# Altium PCB Copy of Board_EP1C6T144I8N.PcbDoc (part 1 of 3)
Units mm, origin at the board's own origin, x right, y up, seen from the top; angles counter-clockwise.
Board outline 55 x 59 mm, 2 copper layers (Top Layer, Bottom Layer); 250 components, 211 nets, 1313 pads, 196 vias.
Unrouted connection lines stored in the file: 101.
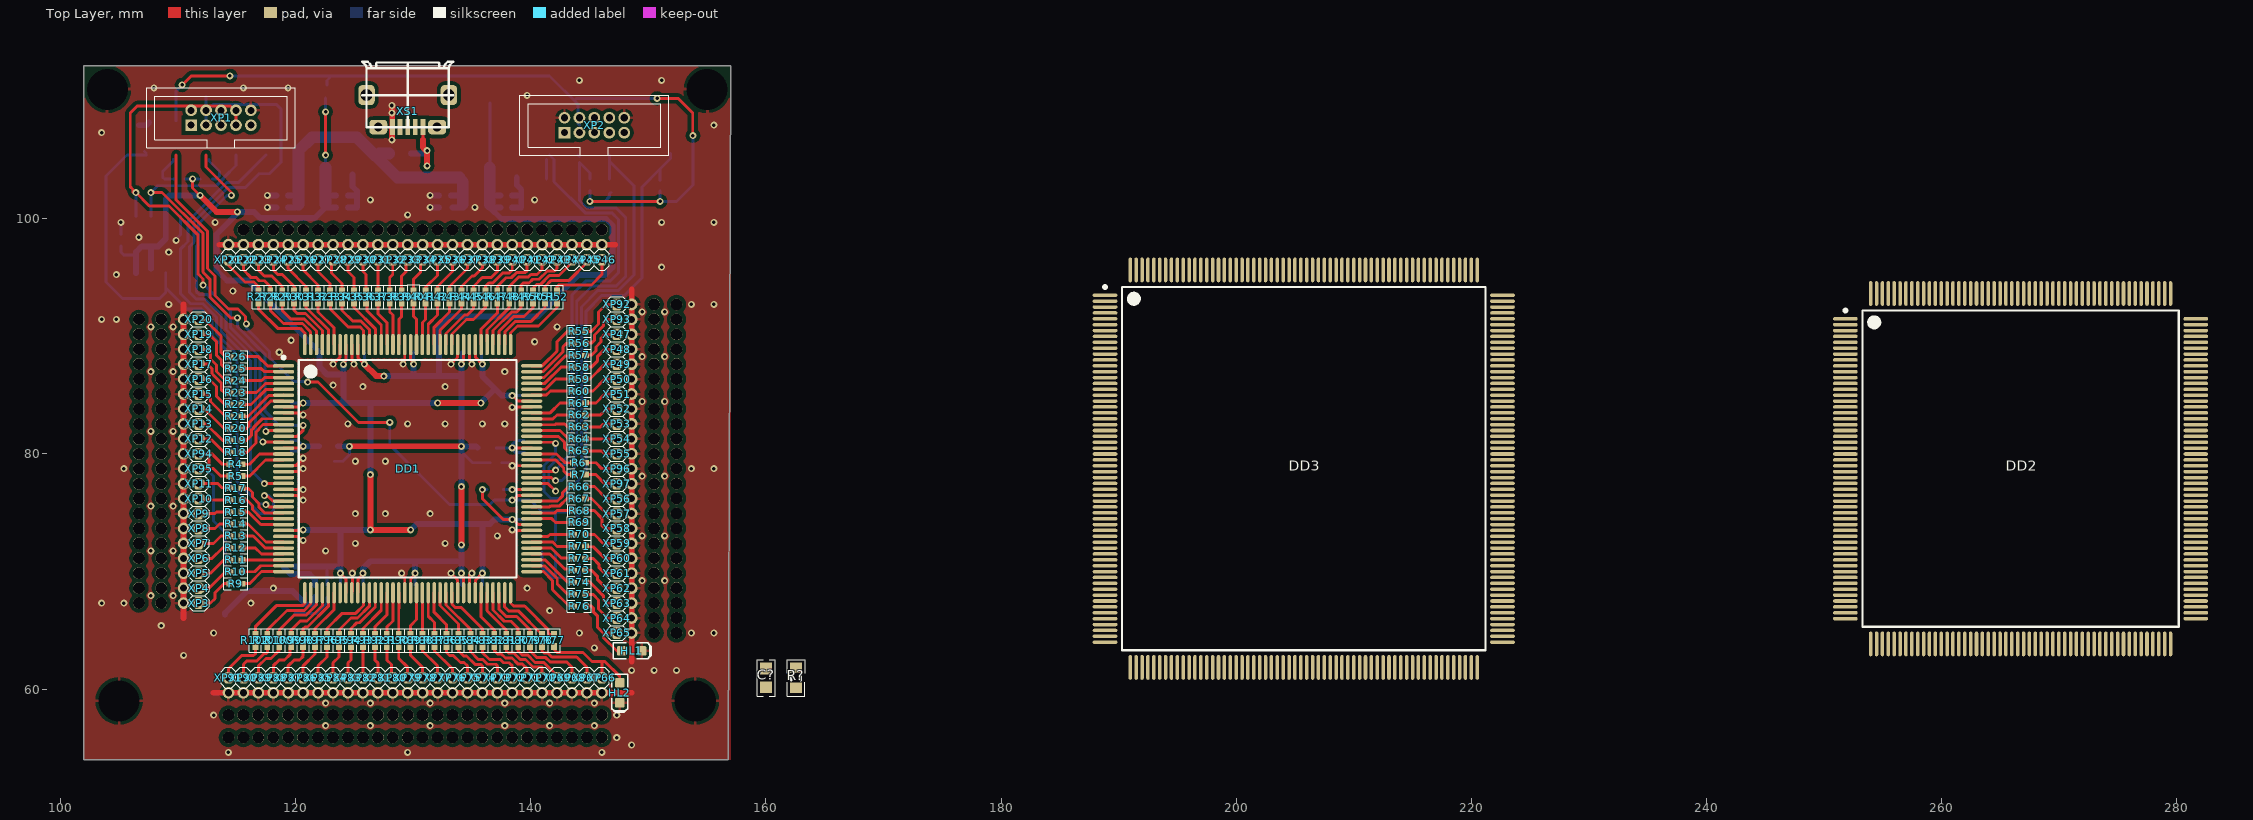
[diagram p0: Top Layer view]
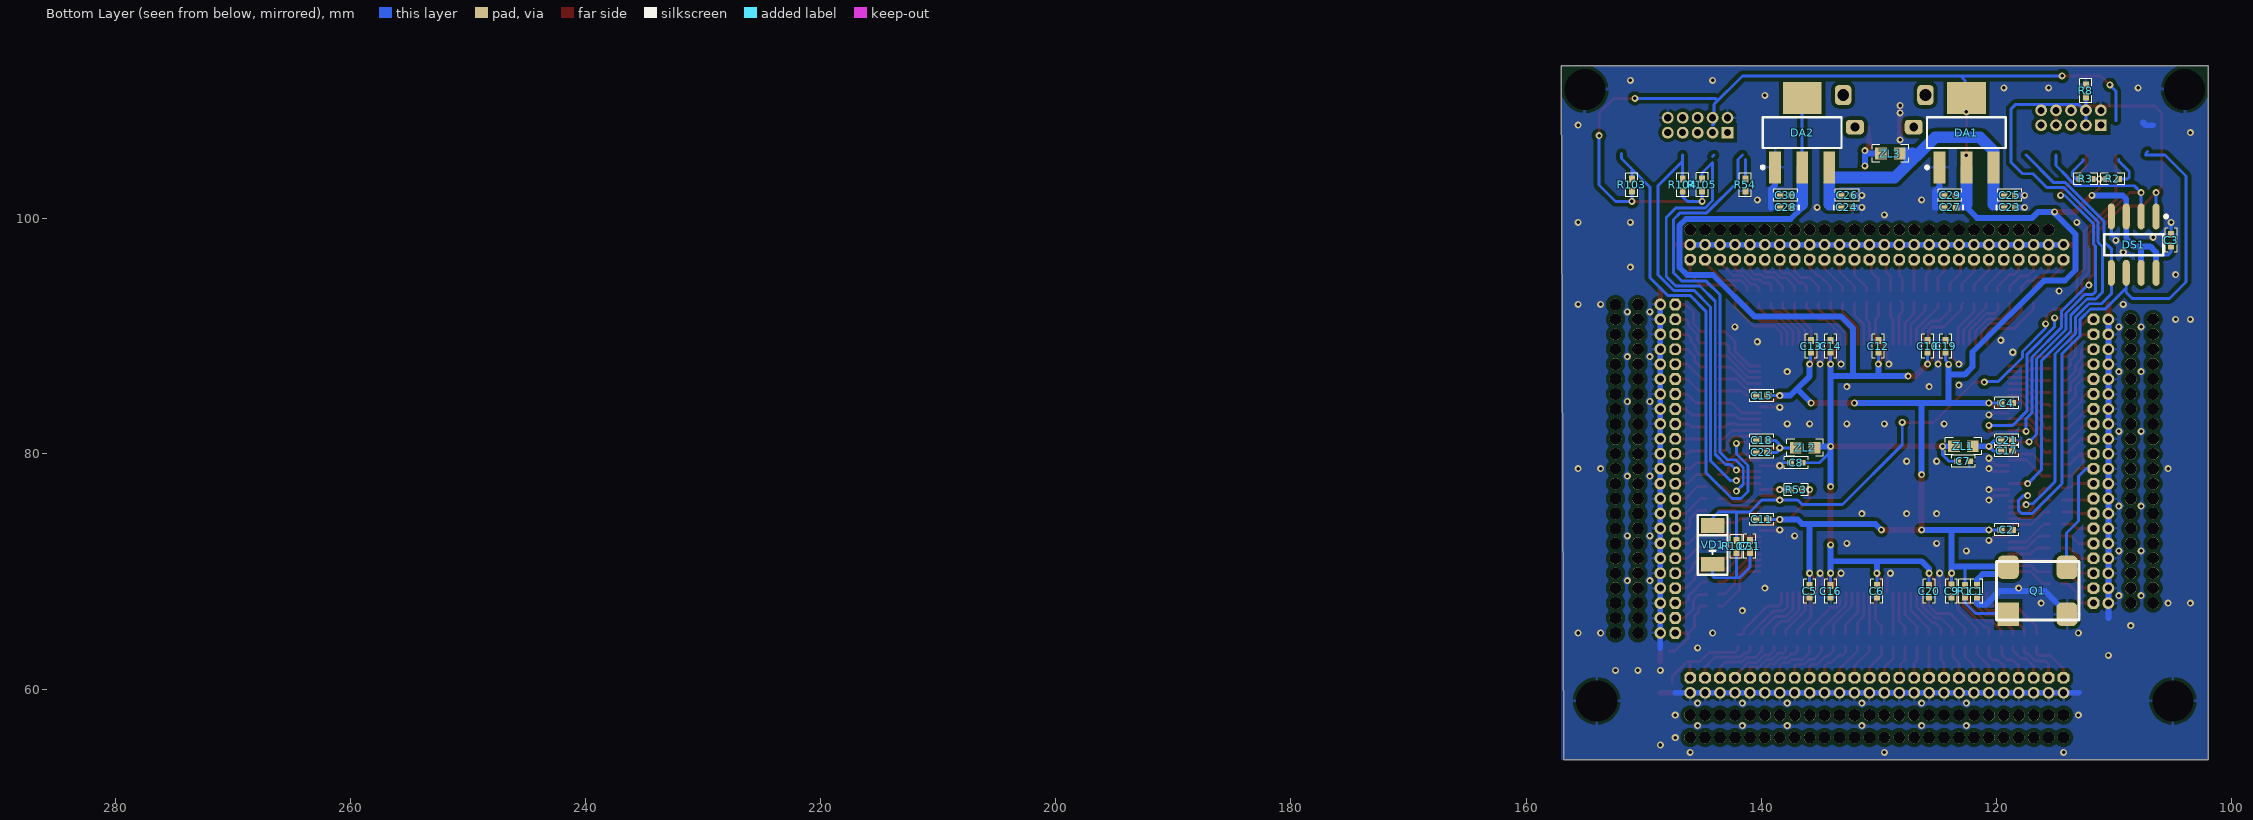
[diagram p1: Bottom Layer view, seen from below]

## Layer stack, top to bottom
Top Solder: solder mask 0.0102, Solder Resist, Dk 3.5
Top Layer: signal copper 0.0356
Dielectric 1: dielectric 0.32, FR-4, Dk 4.8
Bottom Layer: signal copper 0.0356
Bottom Solder: solder mask 0.0102, Solder Resist, Dk 3.5

## Board outline
102,54 102,113 157.003,113 156.809,54

## Design rules (kind name [scope] priority, off if disabled: settings)
Clearance InPolygon [InPolygon] p1: gap=0.3 ignorepadtopadclearanceinfootprint=FALSE
Clearance [All] p2: gap=0.15 ignorepadtopadclearanceinfootprint=FALSE except(0: Arc-Hole Track-Hole SMDPad-Hole THPad-Hole Via-Hole Fill-Hole Poly-Hole Region-Hole Text-Hole)
PlaneConnect [All] p1: pad.planeconnectstyle=Relief pad.reliefexpansion=0.508 pad.reliefentries=4 pad.reliefconductorwidth=0.254 pad.reliefairgap=0.254 via.planeconnectstyle=Direct via.reliefexpansion=0.508 via.reliefentries=4 via.reliefconductorwidth=0.254 via.reliefairgap=0.254
PolygonConnect [All] p1: thpad.connectstyle=Relief thpad.reliefconductorwidth=0.254 thpad.reliefentries=4 thpad.polygonreliefangle="90 Angle" thpad.airgapwidth=0.254 smdpad.connectstyle=Relief smdpad.reliefconductorwidth=0.254 smdpad.reliefentries=4 smdpad.polygonreliefangle="90 Angle" smdpad.airgapwidth=0.254 via.connectstyle=Direct via.reliefconductorwidth=0.254 via.reliefentries=4 via.polygonreliefangle="90 Angle" via.airgapwidth=0.254
RoutingVias [All] p1: holewidth=0.5 width=0.8 viastyle="Through Hole" minholewidth=0.3 minwidth=0.6 maxholewidth=0.7 maxwidth=1
SolderMaskExpansion [All] p1: expansion=0.102
Width [All] p1: maxlimit=1 minlimit=0.25 preferedwidth=0.5
29 further rules are at their usual default settings.

## Classes and differential pairs
component class EPF10K50RC240-3: DD3
component class EP1K100QC208-2: C? DD2 R?

## Components (designator, comment, footprint, x,y, rotation, side; value= is the part's Value field where it differs from the comment)
C1 "0.1uF" CapKemet1005(0402) 121.666,68.326 r90 bottom
C2 "100p" CapKemet1005(0402) 119.126,73.533 r180 bottom
C3 "100p" CapKemet1005(0402) 105.156,98.171 r270 bottom
C4 "100p" CapKemet1005(0402) 119.126,84.328 r180 bottom
C5 "100p" CapKemet1005(0402) 135.89,68.326 r270 bottom
C6 "100p" CapKemet1005(0402) 130.175,68.326 r270 bottom
C7 "100p" CapKemet1005(0402) 122.809,79.375 r180 bottom
C8 "100p" CapKemet1005(0402) 137.033,79.248 r0 bottom
C9 "100p" CapKemet1005(0402) 123.825,68.334 r270 bottom
C10 "100p" CapKemet1005(0402) 125.857,89.154 r90 bottom
C11 "100p" CapKemet1005(0402) 139.954,74.422 r0 bottom
C12 "100p" CapKemet1005(0402) 130.048,89.154 r90 bottom
C13 "100p" CapKemet1005(0402) 135.763,89.154 r90 bottom
C14 "100p" CapKemet1005(0402) 134.112,89.154 r90 bottom
C15 "100p" CapKemet1005(0402) 139.954,84.963 r0 bottom
C16 "100p" CapKemet1005(0402) 134.112,68.326 r270 bottom
C17 "100p" CapKemet1005(0402) 119.126,80.264 r180 bottom
C18 "100p" CapKemet1005(0402) 139.946,81.153 r0 bottom
C19 "100p" CapKemet1005(0402) 124.333,89.154 r90 bottom
C20 "100p" CapKemet1005(0402) 125.73,68.318 r270 bottom
C21 "1n" CapKemet1005(0402) 119.126,81.181 r180 bottom
C22 "1n" CapKemet1005(0402) 139.954,80.137 r0 bottom
C23 "10uF" 0402-A 118.872,100.965 r180 bottom
C24 "10uF" 0402-A 132.715,100.965 r180 bottom
C25 "100p" CapKemet1005(0402) 118.872,101.981 r0 bottom
C26 "100p" CapKemet1005(0402) 132.707,101.981 r0 bottom
C27 "10uF" 0402-A 123.952,100.965 r0 bottom
C28 "10uF" 0402-A 137.922,100.965 r0 bottom
C29 "0.1uF" CapKemet1005(0402) 123.952,101.981 r180 bottom
C30 "0.1uF" CapKemet1005(0402) 137.922,101.981 r180 bottom
C31 "1n" CapKemet1005(0402) 140.97,72.136 r90 bottom
C? "100n" CAPC1608(0603)N 160.02,60.96 r90 top
DA1 "LD1117S33T" SOT223_M 122.555,107.315 r90 bottom
DA2 "LD1117S33T" SOT223_M 136.525,107.315 r90 bottom
DD1 "EP1C6T144I8N" TQFP144_N 129.54,78.74 r0 top locked
DD2 "EP1K100QC208-2" PQFP208_M 266.7,78.74 r0 top
DD3 "EPF10K50RC240-3" RQFP240_M 205.74,78.74 r0 top
DS1 "EPCS1SI8N" SO8_N 108.331,97.79 r270 bottom
HL1 "LED" LED-0603-BLUE 148.59,63.246 r0 top
HL2 "LED" LED-0603-GREEN 147.574,59.69 r270 top
Q1 "SG-8002JF- 100MHz" SG-8002JF 118.999,66.358 r180 bottom
R1 "10k" "REZKemet 0402" 122.682,68.326 r270 bottom
R2 "10k" "REZKemet 0402" 110.109,103.378 r0 bottom
R3 "10k" "REZKemet 0402" 112.395,103.378 r180 bottom
R4 "0" "REZKemet 0402" 114.935,79.121 r0 top
R5 "0" "REZKemet 0402" 114.935,78.105 r0 top
R6 "0" "REZKemet 0402" 144.145,79.248 r180 top
R7 "0" "REZKemet 0402" 144.145,78.232 r180 top
R8 "10k" "REZKemet 0402" 112.395,110.871 r90 bottom
R9 "250" "REZKemet 0402" 114.935,68.961 r0 top
R10 "250" "REZKemet 0402" 114.935,69.977 r0 top
R11 "250" "REZKemet 0402" 114.935,70.993 r0 top
R12 "250" "REZKemet 0402" 114.935,72.009 r0 top
R13 "250" "REZKemet 0402" 114.935,73.025 r0 top
R14 "250" "REZKemet 0402" 114.935,74.041 r0 top
R15 "250" "REZKemet 0402" 114.935,75.057 r0 top
R16 "250" "REZKemet 0402" 114.935,76.073 r0 top
R17 "250" "REZKemet 0402" 114.935,77.089 r0 top
R18 "250" "REZKemet 0402" 114.935,80.137 r0 top
R19 "250" "REZKemet 0402" 114.935,81.153 r0 top
R20 "250" "REZKemet 0402" 114.935,82.169 r0 top
R21 "250" "REZKemet 0402" 114.935,83.185 r0 top
R22 "250" "REZKemet 0402" 114.935,84.201 r0 top
R23 "250" "REZKemet 0402" 114.935,85.217 r0 top
R24 "250" "REZKemet 0402" 114.935,86.233 r0 top
R25 "250" "REZKemet 0402" 114.935,87.249 r0 top
R26 "250" "REZKemet 0402" 114.935,88.265 r0 top
R27 "250" "REZKemet 0402" 116.84,93.345 r270 top
R28 "250" "REZKemet 0402" 117.856,93.345 r270 top
R29 "250" "REZKemet 0402" 118.872,93.345 r270 top
R30 "250" "REZKemet 0402" 119.888,93.345 r270 top
R31 "250" "REZKemet 0402" 120.904,93.345 r270 top
R32 "250" "REZKemet 0402" 121.92,93.345 r270 top
R33 "250" "REZKemet 0402" 122.936,93.345 r270 top
R34 "250" "REZKemet 0402" 123.952,93.345 r270 top
R35 "250" "REZKemet 0402" 124.968,93.345 r270 top
R36 "250" "REZKemet 0402" 125.984,93.345 r270 top
R37 "250" "REZKemet 0402" 127,93.345 r270 top
R38 "250" "REZKemet 0402" 128.016,93.345 r270 top
R39 "250" "REZKemet 0402" 129.032,93.345 r270 top
R40 "250" "REZKemet 0402" 130.048,93.353 r270 top
R41 "250" "REZKemet 0402" 131.064,93.345 r270 top
R42 "250" "REZKemet 0402" 132.08,93.345 r270 top
R43 "250" "REZKemet 0402" 133.096,93.345 r270 top
R44 "250" "REZKemet 0402" 134.112,93.345 r270 top
R45 "250" "REZKemet 0402" 135.128,93.345 r270 top
R46 "250" "REZKemet 0402" 136.144,93.345 r270 top
R47 "250" "REZKemet 0402" 137.16,93.345 r270 top
R48 "250" "REZKemet 0402" 138.176,93.345 r270 top
R49 "250" "REZKemet 0402" 139.192,93.345 r270 top
R50 "250" "REZKemet 0402" 140.208,93.345 r270 top
R51 "250" "REZKemet 0402" 141.224,93.345 r270 top
R52 "250" "REZKemet 0402" 142.24,93.345 r270 top
R53 "10k" "REZKemet 0402" 137.033,76.962 r180 bottom
R54 "10k" "REZKemet 0402" 141.351,102.87 r270 bottom
R55 "250" "REZKemet 0402" 144.145,90.424 r0 top
R56 "250" "REZKemet 0402" 144.145,89.408 r0 top
R57 "250" "REZKemet 0402" 144.145,88.392 r0 top
R58 "250" "REZKemet 0402" 144.145,87.376 r0 top
R59 "250" "REZKemet 0402" 144.145,86.36 r0 top
R60 "250" "REZKemet 0402" 144.145,85.344 r0 top
R61 "250" "REZKemet 0402" 144.145,84.328 r0 top
R62 "250" "REZKemet 0402" 144.145,83.312 r0 top
R63 "250" "REZKemet 0402" 144.145,82.296 r0 top
R64 "250" "REZKemet 0402" 144.145,81.28 r0 top
R65 "250" "REZKemet 0402" 144.145,80.264 r0 top
R66 "250" "REZKemet 0402" 144.145,77.216 r0 top
R67 "250" "REZKemet 0402" 144.145,76.2 r0 top
R68 "250" "REZKemet 0402" 144.153,75.184 r0 top
R69 "250" "REZKemet 0402" 144.145,74.168 r0 top
R70 "250" "REZKemet 0402" 144.145,73.152 r0 top
R71 "250" "REZKemet 0402" 144.145,72.136 r0 top
R72 "250" "REZKemet 0402" 144.145,71.12 r0 top
R73 "250" "REZKemet 0402" 144.145,70.104 r0 top
R74 "250" "REZKemet 0402" 144.145,69.088 r0 top
R75 "250" "REZKemet 0402" 144.145,68.072 r0 top
R76 "250" "REZKemet 0402" 144.145,67.056 r0 top
R77 "250" "REZKemet 0402" 141.986,64.135 r270 top
R78 "250" "REZKemet 0402" 140.97,64.135 r270 top
R79 "250" "REZKemet 0402" 139.954,64.135 r270 top
R80 "250" "REZKemet 0402" 138.938,64.135 r270 top
R81 "250" "REZKemet 0402" 137.922,64.135 r270 top
R82 "250" "REZKemet 0402" 136.906,64.135 r270 top
R83 "250" "REZKemet 0402" 135.89,64.135 r270 top
R84 "250" "REZKemet 0402" 134.874,64.135 r270 top
R85 "250" "REZKemet 0402" 133.858,64.135 r270 top
R86 "250" "REZKemet 0402" 132.842,64.135 r270 top
R87 "250" "REZKemet 0402" 131.826,64.135 r270 top
R88 "250" "REZKemet 0402" 130.81,64.135 r270 top
R89 "250" "REZKemet 0402" 129.794,64.135 r270 top
R90 "250" "REZKemet 0402" 128.778,64.135 r270 top
R91 "250" "REZKemet 0402" 127.762,64.135 r270 top
R92 "250" "REZKemet 0402" 126.746,64.135 r270 top
R93 "250" "REZKemet 0402" 125.73,64.135 r270 top
R94 "250" "REZKemet 0402" 124.714,64.135 r270 top
R95 "250" "REZKemet 0402" 123.698,64.135 r270 top
R96 "250" "REZKemet 0402" 122.682,64.135 r270 top
R97 "250" "REZKemet 0402" 121.666,64.135 r270 top
R98 "250" "REZKemet 0402" 120.65,64.135 r270 top
R99 "250" "REZKemet 0402" 119.634,64.135 r270 top
R100 "250" "REZKemet 0402" 118.618,64.135 r270 top
R101 "250" "REZKemet 0402" 117.602,64.135 r270 top
R102 "250" "REZKemet 0402" 116.586,64.135 r270 top
R103 "10k" "REZKemet 0402" 151.003,102.87 r270 bottom
R104 "10k" "REZKemet 0402" 146.685,102.87 r270 bottom
R105 "10k" "REZKemet 0402" 145.034,102.878 r270 bottom
R107 "10k" "REZKemet 0402" 142.113,72.128 r270 bottom
R? "10k" RESC1608(0603)N 162.56,60.96 r90 top
VD1 "LL4148" SOD80 144.145,72.263 r90 bottom
XP1 "XS-10" "ISP 10(1.27mm)" 111.125,107.95 r0 top
XP2 "XS-10" "ISP 10(1.27mm)" 142.875,107.315 r0 top
XP3 "P50-B1(DIP)" PLLS1.27-1 111.76,67.31 r90 top
XP4 "P50-B1(DIP)" PLLS1.27-1 111.76,68.58 r90 top
XP5 "P50-B1(DIP)" PLLS1.27-1 111.76,69.85 r90 top
XP6 "P50-B1(DIP)" PLLS1.27-1 111.76,71.12 r90 top
XP7 "P50-B1(DIP)" PLLS1.27-1 111.76,72.39 r90 top
XP8 "P50-B1(DIP)" PLLS1.27-1 111.76,73.66 r90 top
XP9 "P50-B1(DIP)" PLLS1.27-1 111.76,74.93 r90 top
XP10 "P50-B1(DIP)" PLLS1.27-1 111.76,76.2 r90 top
XP11 "P50-B1(DIP)" PLLS1.27-1 111.76,77.47 r90 top
XP12 "P50-B1(DIP)" PLLS1.27-1 111.76,81.28 r90 top
XP13 "P50-B1(DIP)" PLLS1.27-1 111.76,82.55 r90 top
XP14 "P50-B1(DIP)" PLLS1.27-1 111.76,83.82 r90 top
XP15 "P50-B1(DIP)" PLLS1.27-1 111.76,85.09 r90 top
XP16 "P50-B1(DIP)" PLLS1.27-1 111.76,86.36 r90 top
XP17 "P50-B1(DIP)" PLLS1.27-1 111.76,87.63 r90 top
XP18 "P50-B1(DIP)" PLLS1.27-1 111.76,88.9 r90 top
XP19 "P50-B1(DIP)" PLLS1.27-1 111.76,90.17 r90 top
XP20 "P50-B1(DIP)" PLLS1.27-1 111.76,91.44 r90 top
XP21 "P50-B1(DIP)" PLLS1.27-1 114.3,96.52 r0 top
XP22 "P50-B1(DIP)" PLLS1.27-1 115.57,96.52 r0 top
XP23 "P50-B1(DIP)" PLLS1.27-1 116.84,96.52 r0 top
XP24 "P50-B1(DIP)" PLLS1.27-1 118.11,96.52 r0 top
XP25 "P50-B1(DIP)" PLLS1.27-1 119.38,96.52 r0 top
XP26 "P50-B1(DIP)" PLLS1.27-1 120.65,96.52 r0 top
XP27 "P50-B1(DIP)" PLLS1.27-1 121.92,96.52 r0 top
XP28 "P50-B1(DIP)" PLLS1.27-1 123.19,96.52 r0 top
XP29 "P50-B1(DIP)" PLLS1.27-1 124.46,96.52 r0 top
XP30 "P50-B1(DIP)" PLLS1.27-1 125.73,96.52 r0 top
XP31 "P50-B1(DIP)" PLLS1.27-1 127,96.52 r0 top
XP32 "P50-B1(DIP)" PLLS1.27-1 128.27,96.52 r0 top
XP33 "P50-B1(DIP)" PLLS1.27-1 129.54,96.52 r0 top
XP34 "P50-B1(DIP)" PLLS1.27-1 130.81,96.52 r0 top
XP35 "P50-B1(DIP)" PLLS1.27-1 132.08,96.52 r0 top
XP36 "P50-B1(DIP)" PLLS1.27-1 133.35,96.52 r0 top
XP37 "P50-B1(DIP)" PLLS1.27-1 134.62,96.52 r0 top
XP38 "P50-B1(DIP)" PLLS1.27-1 135.89,96.52 r0 top
XP39 "P50-B1(DIP)" PLLS1.27-1 137.16,96.52 r0 top
XP40 "P50-B1(DIP)" PLLS1.27-1 138.43,96.52 r0 top
XP41 "P50-B1(DIP)" PLLS1.27-1 139.7,96.52 r0 top
XP42 "P50-B1(DIP)" PLLS1.27-1 140.97,96.52 r0 top
XP43 "P50-B1(DIP)" PLLS1.27-1 142.24,96.52 r0 top
XP44 "P50-B1(DIP)" PLLS1.27-1 143.51,96.52 r0 top
XP45 "P50-B1(DIP)" PLLS1.27-1 144.78,96.52 r0 top
XP46 "P50-B1(DIP)" PLLS1.27-1 146.05,96.52 r0 top
XP47 "P50-B1(DIP)" PLLS1.27-1 147.32,90.17 r90 top
XP48 "P50-B1(DIP)" PLLS1.27-1 147.32,88.9 r90 top
XP49 "P50-B1(DIP)" PLLS1.27-1 147.32,87.63 r90 top
XP50 "P50-B1(DIP)" PLLS1.27-1 147.32,86.36 r90 top
XP51 "P50-B1(DIP)" PLLS1.27-1 147.32,85.09 r90 top
XP52 "P50-B1(DIP)" PLLS1.27-1 147.32,83.82 r90 top
XP53 "P50-B1(DIP)" PLLS1.27-1 147.32,82.55 r90 top
XP54 "P50-B1(DIP)" PLLS1.27-1 147.32,81.28 r90 top
XP55 "P50-B1(DIP)" PLLS1.27-1 147.32,80.01 r90 top
XP56 "P50-B1(DIP)" PLLS1.27-1 147.32,76.2 r90 top
XP57 "P50-B1(DIP)" PLLS1.27-1 147.32,74.93 r90 top
XP58 "P50-B1(DIP)" PLLS1.27-1 147.32,73.66 r90 top
XP59 "P50-B1(DIP)" PLLS1.27-1 147.32,72.39 r90 top
XP60 "P50-B1(DIP)" PLLS1.27-1 147.32,71.12 r90 top
XP61 "P50-B1(DIP)" PLLS1.27-1 147.32,69.85 r90 top
XP62 "P50-B1(DIP)" PLLS1.27-1 147.32,68.58 r90 top
XP63 "P50-B1(DIP)" PLLS1.27-1 147.32,67.31 r90 top
XP64 "P50-B1(DIP)" PLLS1.27-1 147.32,66.04 r90 top
XP65 "P50-B1(DIP)" PLLS1.27-1 147.32,64.77 r90 top
XP66 "P50-B1(DIP)" PLLS1.27-1 146.05,60.96 r0 top
XP67 "P50-B1(DIP)" PLLS1.27-1 144.78,60.96 r0 top
XP68 "P50-B1(DIP)" PLLS1.27-1 143.51,60.96 r0 top
XP69 "P50-B1(DIP)" PLLS1.27-1 142.24,60.96 r0 top
XP70 "P50-B1(DIP)" PLLS1.27-1 140.97,60.96 r0 top
XP71 "P50-B1(DIP)" PLLS1.27-1 139.7,60.96 r0 top
XP72 "P50-B1(DIP)" PLLS1.27-1 138.43,60.96 r0 top
XP73 "P50-B1(DIP)" PLLS1.27-1 137.16,60.96 r0 top
XP74 "P50-B1(DIP)" PLLS1.27-1 135.89,60.96 r0 top
XP75 "P50-B1(DIP)" PLLS1.27-1 134.62,60.96 r0 top
XP76 "P50-B1(DIP)" PLLS1.27-1 133.35,60.96 r0 top
XP77 "P50-B1(DIP)" PLLS1.27-1 132.08,60.96 r0 top
XP78 "P50-B1(DIP)" PLLS1.27-1 130.81,60.96 r0 top
XP79 "P50-B1(DIP)" PLLS1.27-1 129.54,60.96 r0 top
XP80 "P50-B1(DIP)" PLLS1.27-1 128.27,60.96 r0 top
XP81 "P50-B1(DIP)" PLLS1.27-1 127,60.96 r0 top
XP82 "P50-B1(DIP)" PLLS1.27-1 125.73,60.96 r0 top
XP83 "P50-B1(DIP)" PLLS1.27-1 124.46,60.96 r0 top
XP84 "P50-B1(DIP)" PLLS1.27-1 123.19,60.96 r0 top
XP85 "P50-B1(DIP)" PLLS1.27-1 121.92,60.96 r0 top
XP86 "P50-B1(DIP)" PLLS1.27-1 120.65,60.96 r0 top
XP87 "P50-B1(DIP)" PLLS1.27-1 119.38,60.96 r0 top
XP88 "P50-B1(DIP)" PLLS1.27-1 118.11,60.96 r0 top
XP89 "P50-B1(DIP)" PLLS1.27-1 116.84,60.96 r0 top
XP90 "P50-B1(DIP)" PLLS1.27-1 115.57,60.96 r0 top
XP91 "P50-B1(DIP)" PLLS1.27-1 114.3,60.96 r0 top
XP92 "PLLS1.27-1" PLLS1.27-1 147.32,92.71 r90 top
XP93 "PLLS1.27-1" PLLS1.27-1 147.32,91.44 r90 top
XP94 "PLLS1.27-1" PLLS1.27-1 111.76,80.01 r90 top
XP95 "PLLS1.27-1" PLLS1.27-1 111.76,78.74 r90 top
XP96 "PLLS1.27-1" PLLS1.27-1 147.32,78.74 r90 top
XP97 "PLLS1.27-1" PLLS1.27-1 147.32,77.47 r90 top
XS1 "MICRO_USB _B" "MICRO_USB _B" 129.54,110.49 r180 top locked
ZL1 "Ferite1608(0603)" INDC1608(0603)N 122.809,80.645 r180 bottom
ZL2 "Ferite1608(0603)" INDC1608(0603)N 136.271,80.518 r0 bottom
ZL3 "Ferite1608(0603)" INDC1608(0603)N 129.032,105.537 r180 bottom

## Footprints (in the part's own frame and the unit in brackets; to place one, negate y for a bottom-side part, rotate by r counter-clockwise, add the part's x,y. Pads: shape width x height; smd on the part's side, far side on the other; paste and mask are expansions set on the pad)
0402-A [mm] "Chip Inductor, Body 1.0x0.5mm, IPC High Density"
  rect 0.6x0.5 smd: 1(-0.5,0) 2(0.5,0)
  silkscreen extent -1.1,-0.15 -1.1,0.15, body extent -0.55,-0.3 0.55,0.3, height 0.55
CAPC1608(0603)N [mm] "Chip Capacitor, Body 1.6x0.8mm, IPC Medium Density"
  rect 1x1 smd: 1(-0.8,0) 2(0.8,0)
  silkscreen extent -1.55,-0.76 1.55,0.76, body extent -0.8,-0.4 0.8,0.4, height 0.3
CapKemet1005(0402) [mm] "Chip Capacitor, Body 1.0x0.5mm, IPC High Density"
  rect 0.6x0.5 smd: 1(-0.5,0) 2(0.5,0)
  silkscreen extent -1.02,-0.51 1.02,0.51, body extent -0.5,-0.3 0.5,0.3, height 0.2
INDC1608(0603)N [mm] "Chip Inductor, Body 1.6x0.8mm, IPC Medium Density"
  rect 1x1 smd: 1(-0.8,0) 2(0.8,0)
  silkscreen extent -1.55,-0.74 1.55,0.74, body extent -0.87,-0.48 0.87,0.48, height 0.71
"ISP 10(1.27mm)" [mm]
  rect 1x1 hole 0.6: 1(0,0)
  round 1 hole 0.6: 2(0,1.27) 3(1.27,0) 4(1.27,1.27) 5(2.54,0) 6(2.54,1.27) 7(3.81,0) 8(3.81,1.27) 9(5.08,0) 10(5.08,1.27)
  silkscreen extent -3.79,-1.93 8.86,3.17, body extent -3.78,-2.01 8.87,3.91, height 5.4
LED-0603-BLUE [mm]
  round 0.254 on Mech15: 0(0,0)
  rrect25% 0.8x0.8 smd: A(-0.85,0) K(0.85,0)
  Top Layer pour cut-out: -0.5,0.5 0.5,0.5 0.5,-0.5 -0.5,-0.5
  silkscreen extent -1.55,-0.67 1.68,0.67, body extent -0.8,-0.4 0.8,0.4, height 0.75
LED-0603-GREEN [mm]
  round 0.254 on Mech15: 0(0,0)
  rrect25% 0.8x0.8 smd: A(-0.85,0) K(0.85,0)
  Top Layer pour cut-out: -0.5,0.5 0.5,0.5 0.5,-0.5 -0.5,-0.5
  silkscreen extent -1.55,-0.67 1.68,0.67, body extent -0.8,-0.4 0.8,0.4, height 0.75
"MICRO_USB _B" [mm]
  rect 0.4x1.35 smd: 1(-1.3,2.7) 2(-0.65,2.7) 3(0,2.7) 4(0.65,2.7) 5(1.3,2.7)
  rrect50% 1.4x1.7 hole 1: 6(-3.5,-0.025) 6(3.5,-0.025)
  rrect50% 1.524x1.25 hole 0.75: 6(-2.5,2.7) 6(2.5,2.7)
  silkscreen extent -3.88,-2.85 3.88,2.7, body extent -4.02,-2.73 4.02,2.85, height 2.63
PLLS1.27-1 [mm] "1.27mm pin header connector with 2mm body height. 4..80 pins"
  oct 1x1 hole 0.6: 1(0,0)
  silkscreen extent -0.64,-0.89 0.64,0.89
PQFP208_M [mm] "Shrink QFP, 208-Leads, Body 28x28mm, Pitch 0.5mm, IPC Low Density"
  oval 2.1x0.3 smd: 1(-14.9,12.75) 2(-14.9,12.25) 3(-14.9,11.75) 4(-14.9,11.25) 5(-14.9,10.75) 6(-14.9,10.25) 7(-14.9,9.75) 8(-14.9,9.25) 9(-14.9,8.75) 10(-14.9,8.25) 11(-14.9,7.75) 12(-14.9,7.25) 13(-14.9,6.75) 14(-14.9,6.25) 15(-14.9,5.75) 16(-14.9,5.25) 17(-14.9,4.75) 18(-14.9,4.25) 19(-14.9,3.75) 20(-14.9,3.25) 21(-14.9,2.75) 22(-14.9,2.25) 23(-14.9,1.75) 24(-14.9,1.25) 25(-14.9,0.75) 26(-14.9,0.25) 27(-14.9,-0.25) 28(-14.9,-0.75) 29(-14.9,-1.25) 30(-14.9,-1.75) 31(-14.9,-2.25) 32(-14.9,-2.75) 33(-14.9,-3.25) 34(-14.9,-3.75) 35(-14.9,-4.25) 36(-14.9,-4.75) 37(-14.9,-5.25) 38(-14.9,-5.75) 39(-14.9,-6.25) 40(-14.9,-6.75) 41(-14.9,-7.25) 42(-14.9,-7.75) 43(-14.9,-8.25) 44(-14.9,-8.75) 45(-14.9,-9.25) 46(-14.9,-9.75) 47(-14.9,-10.25) 48(-14.9,-10.75) 49(-14.9,-11.25) 50(-14.9,-11.75) 51(-14.9,-12.25) 52(-14.9,-12.75) 105(14.9,-12.75) 106(14.9,-12.25) 107(14.9,-11.75) 108(14.9,-11.25) 109(14.9,-10.75) 110(14.9,-10.25) 111(14.9,-9.75) 112(14.9,-9.25) 113(14.9,-8.75) 114(14.9,-8.25) 115(14.9,-7.75) 116(14.9,-7.25) 117(14.9,-6.75) 118(14.9,-6.25) 119(14.9,-5.75) 120(14.9,-5.25) 121(14.9,-4.75) 122(14.9,-4.25) 123(14.9,-3.75) 124(14.9,-3.25) 125(14.9,-2.75) 126(14.9,-2.25) 127(14.9,-1.75) 128(14.9,-1.25) 129(14.9,-0.75) 130(14.9,-0.25) 131(14.9,0.25) 132(14.9,0.75) 133(14.9,1.25) 134(14.9,1.75) 135(14.9,2.25) 136(14.9,2.75) 137(14.9,3.25) 138(14.9,3.75) 139(14.9,4.25) 140(14.9,4.75) 141(14.9,5.25) 142(14.9,5.75) 143(14.9,6.25) 144(14.9,6.75) 145(14.9,7.25) 146(14.9,7.75) 147(14.9,8.25) 148(14.9,8.75) 149(14.9,9.25) 150(14.9,9.75) 151(14.9,10.25) 152(14.9,10.75) 153(14.9,11.25) 154(14.9,11.75) 155(14.9,12.25) 156(14.9,12.75)